# Altium PCB HVSUP_ISOL_Mainboard.PCBDOC (part 2 of 3)
Units mm, origin at the board's own origin, x right, y up, seen from the top; angles counter-clockwise.
Board outline 222.63 x 100.1 mm, 4 copper layers (Top, L2, L3, Bot), stack 1.6 mm thick; 185 components, 125 nets, 636 pads, 623 vias.
Unrouted connection lines stored in the file: 1.
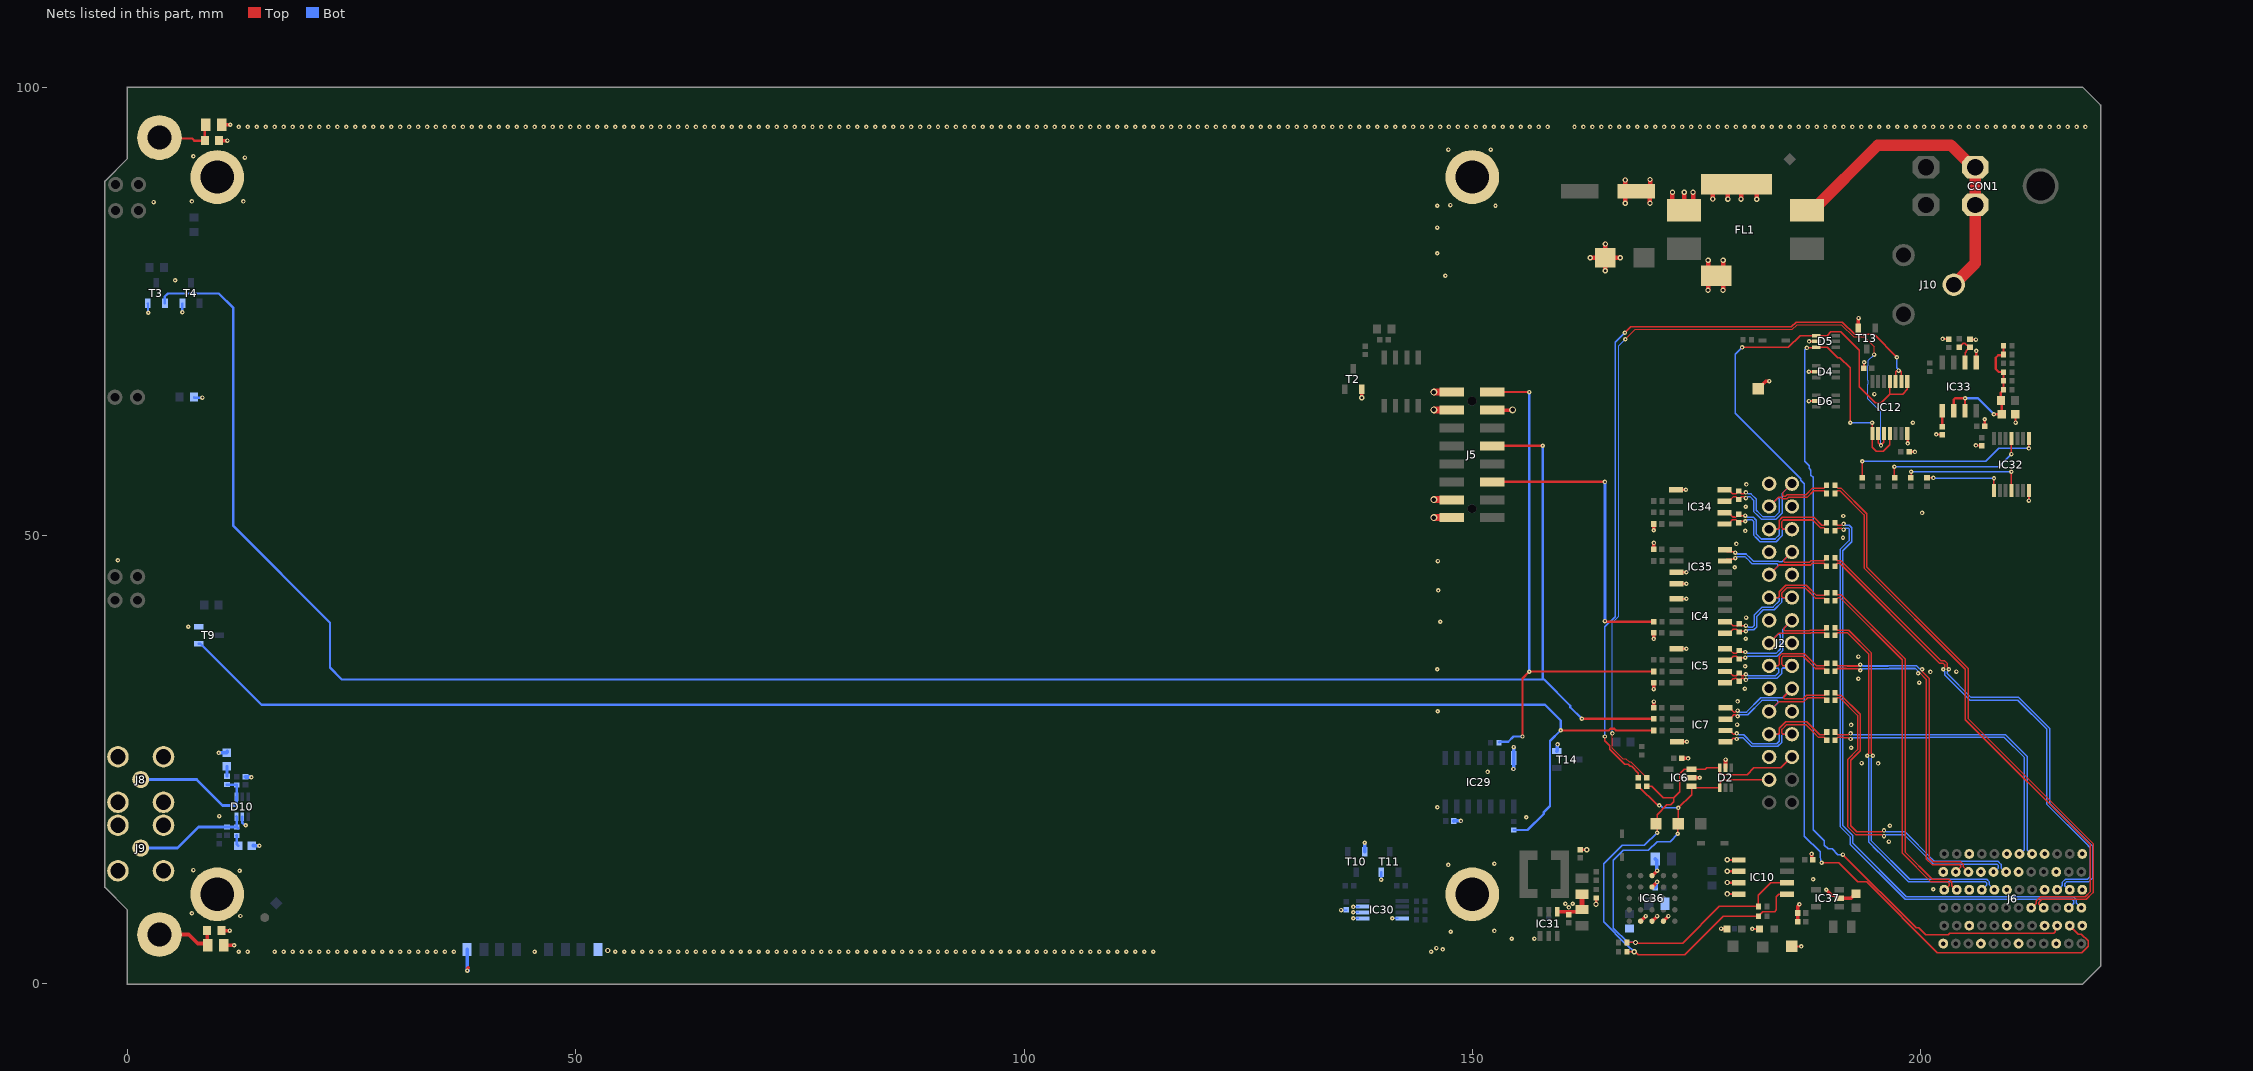
[diagram p4: the nets of this part, all layers, seen from the top]

## Part data (continued)
R138: library part R0603_2K7_1%_0.1W_100PPM, "Resistor - 1%", Case=0603, Manufacturer=GENERIC, Manufacturer1 ComponentHeight=0.55mm, Manufacturer1 Example="YAGEO PHYCOMP", Manufacturer1 Part Number=RC0603FR-072K7L, Power=0.1W, Tolerance=±1%, Author="CERN DEM JLC", Component Type=Standard, CreateDate=2011-05-02, HelpURL=\\cern.ch\dfs\Applications\Altium\Datasheets\R0603_PHYCOMP_RC0603.pdf, LatestRevisionDate=2011-05-02, Manufacturer Part Number=R0603_2K7_1%_0.1W_100PPM, Mounted=Yes, Part Description="General Purpose Thick Film Chip Resistor", Part Number=R0603_2K7_1%_0.1W_100PPM, Pin Count=2, PressFit=No, Sense=No, SMD=Yes, Socket=No, Status=Preferred, TC=±100ppm/°C
R139: library part R0402_5K6_1%_0.0625W_100PPM, "Resistor - 1%", Case=0402, Manufacturer=GENERIC, Manufacturer1 ComponentHeight=0.4mm, Manufacturer1 Example="YAGEO PHYCOMP", Manufacturer1 Part Number=232270675602L, Power=0.0625W, Tolerance=±1%, Author="CERN DEM JLC", Component Type=Standard, CreateDate=2007-12-03, HelpURL=\\cern.ch\dfs\Applications\Altium\Datasheets\R0402_Phycomp_RC0402.pdf, LatestRevisionDate=2012-10-17, Manufacturer Part Number=R0402_5K6_1%_0.0625W_100PPM, Mounted=Yes, Part Description="General Purpose Thick Film Chip Resistor", Part Number=R0402_5K6_1%_0.0625W_100PPM, Pin Count=2, PressFit=No, Sense=No, SMD=Yes, Socket=No, Status="Not Recommended", TC=±100ppm/°C
R140 R141: library part R0402_1k_1%_0.0625W_100PPM, "Resistor - 1%", Case=0402, Manufacturer=GENERIC, Manufacturer1 ComponentHeight=0.4mm, Manufacturer1 Example="YAGEO PHYCOMP", Manufacturer1 Part Number=232270671002L, Manufacturer Part Number=R0402_1K_1%_0.0625W_100PPM, Power=0.0625W, Tolerance=±1%, Author="CERN DEM JLC", Component Type=Standard, CreateDate=03.12.2007, HelpURL=\\cern.ch\dfs\Applications\Altium\Datasheets\R0402_Phycomp_RC0402.pdf, LatestRevisionDate=17.10.2012, Mounted=Yes, Part Description="General Purpose Thick Film Chip Resistor", Part Number=R0402_1K_1%_0.0625W_100PPM, Pin Count=2, PressFit=No, Sense=No, SMD=Yes, Socket=No, Status="Not Recommended"
R142 R143: library part R0402_1K6_1%_0.0625W_100PPM, "Resistor - 1%", Case=0402, Manufacturer=GENERIC, Manufacturer1 ComponentHeight=0.4mm, Manufacturer1 Example="YAGEO PHYCOMP", Manufacturer1 Part Number=232270671602L, Power=0.0625W, Tolerance=±1%, Author="CERN DEM JLC", Component Type=Standard, CreateDate=2007-12-03, HelpURL=\\cern.ch\dfs\Applications\Altium\Datasheets\R0402_Phycomp_RC0402.pdf, LatestRevisionDate=2012-10-17, Manufacturer Part Number=R0402_1K6_1%_0.0625W_100PPM, Mounted=Yes, Part Description="General Purpose Thick Film Chip Resistor", Part Number=R0402_1K6_1%_0.0625W_100PPM, Pin Count=2, PressFit=No, Sense=No, SMD=Yes, Socket=No, Status="Not Recommended", TC=±100ppm/°C
R149: library part R0805_0R_JUMPER, "Resistor", Case=0805, Manufacturer=GENERIC, Manufacturer1 ComponentHeight=0.6mm, Manufacturer1 Example="NIC COMPONENT", Manufacturer1 Part Number=NRC10Z0, Author="CERN DEM JLC", Component Type=Standard, CreateDate=03.12.2007, HelpURL=\\cern.ch\dfs\Applications\Altium\Datasheets\R0805_NIC_NRC.pdf, LatestRevisionDate=13.03.2008, Manufacturer Part Number=R0805_0R_JUMPER, Mounted=Yes, Part Description="2A (0.05R Max DC Resistance) Zero Ohm Jumper", Part Number=R0805_0R_JUMPER, Pin Count=2, PressFit=No, Sense=No, SMD=Yes, Socket=No, Status=Preferred
R154 R155 R156 R157: library part "R0805_4M7_1%_0.125W_100PPM_VISHAY_CRCW e3", "Resistor - 1%", Case=0805, Manufacturer=VISHAY, Manufacturer Part Number=CRCW08054M70FKEA, Power=0.125W, Tolerance=±1%, Author="CERN DEM BR", Component Type=Standard, ComponentHeight=0.5mm, CreateDate=27/05/2019, HelpURL="\\cern.ch\dfs\Applications\Altium\Datasheets\R0805_VISHAY_CRCW e3.pdf", LatestRevisionDate=27/05/2019, Mounted=Yes, Part Description="150V, Standard Thick Film Chip Resistor", Part Number="R0805_4M7_1%_0.125W_100PPM_VISHAY_CRCW e3", Pin Count=2, PressFit=No, Sense=No, SMD=Yes, Socket=No, Status=None, TC=±100ppm/°C
R160: library part R0603_13K3_0.1%_0.063W_10PPM, "Resistor - 0.1%", Case=0603, Manufacturer=GENERIC, Manufacturer1 ComponentHeight=0.5mm, Manufacturer1 Example="TYCO HOLSWORTHY", Manufacturer1 Part Number=RN73C1J13K3BTDF, Power=0.063W, Tolerance=±0.1%, Author="CERN DEM JLC", Component Type=Standard, CreateDate=03.12.2007, HelpURL=\\cern.ch\dfs\Applications\Altium\Datasheets\R0603_Tyco_RN73.pdf, LatestRevisionDate=13.03.2008, Manufacturer Part Number=R0603_13K3_0.1%_0.063W_10PPM, Mounted=Yes, Part Description="Thin Film Chip Resistor", Part Number=R0603_13K3_0.1%_0.063W_10PPM, Pin Count=2, PressFit=No, Sense=No, SMD=Yes, Socket=No, Status="Not Recommended", TC=±10ppm
S1 S2 S3 S4: library part "WA-SMSI,  9774030151", "WA-SMSI SMD Steel Spacer with internal Thread", Manufacturer="Wurth Elektronik", ComponentLink1Description=Manufacturer, ComponentLink1URL=http://www.we-online.de, ComponentLink2Description=Datasheet, ComponentLink2URL=http://katalog.we-online.de/em/datasheet/9774030151.pdf, Created by="Baojun Chen", Created Date=20.Oct.2015, partNo=9774030151
ST1: "Schroff 3HP 4U EUROCARD Panel Kit", Manufacturer=Schroff, Manufacturer Part Number=20818-017, Manufacturer Part Number 2=20848-664
T1: "-30V -19.7A P-Channel MOSFET", Case=SOIC8, Manufacturer="VISHAY SILICONIX", Author="CERN DEM MR", Bonding=No, Component Type=Standard, ComponentHeight=1.75mm, CreateDate=05/10/2016, Device=SI4425DDY-T1-GE3, HelpURL=\\cern.ch\dfs\Applications\Altium\Datasheets\SI4425DDY-T1-GE3.pdf, LatestRevisionDate=05/10/2016, Manufacturer Part Number=SI4425DDY-T1-GE3, Mounted=Yes, PackageDescription="SOIC 8, Pitch 1.27mm - Body 4x5mm, IPC Medium Density", Part Description="-30V -19.7A P-Channel MOSFET", Part Number=SI4425DDY-T1-GE3, Pin Count=8, PressFit=No, Sense=No, SMD=Yes, Socket=No
T2 T3 T4 T9 T10 T11 T14: "N-CHANNEL MOSFET WITH DIODE", Case=SOT23-3, Manufacturer="ON SEMICONDUCTOR", Author="CERN DEM JLC", Bonding=No, Component Type=Standard, ComponentHeight=1.11mm, CreateDate=23.03.2009, Device=BSS138LT1G, HelpURL=\\cern.ch\dfs\Applications\Altium\Datasheets\BSS138LT1G.pdf, LatestRevisionDate=23.03.2009, Manufacturer Part Number=BSS138LT1G, Mounted=Yes, PackageDescription="SOT23 3-Leads, Pitch 0.95mm - Body 1.4x3mm, IPC Medium Density", Part Description="50V 200mA N-Channel Enhancement Mode Field-Effect Transistor", Part Number=BSS138LT1G, Pin Count=3, PressFit=No, Sense=No, SMD=Yes, Socket=No
T13: "N-CHANNEL MOSFET WITH DIODE", Case=SOT23-3, Manufacturer=NEXPERIA, Author="CERN DEM JLC", Bonding=No, Component Type=Standard, ComponentHeight=1.1mm, CreateDate=16.03.2010, Device=BSH103, HelpURL=\\cern.ch\dfs\Applications\Altium\Datasheets\BSH103.pdf, LatestRevisionDate=20.06.2017, Manufacturer Part Number=BSH103, Mounted=Yes, PackageDescription="SOT23, 0.95mm Pitch; 3 Pin, 1.30mm W X 2.90mm L X 1.10mm H body, IPC Medium Density", Part Description="30V 850mA N-Channel Enhancement Mode Field-Effect Transistor", Part Number=BSH103, Pin Count=3, PressFit=No, Sense=No, SMD=Yes, Socket=No
TP1 TP2 TP3 TP4 TP5 TP6 TP7: library part SMD_PAD_1.27X1.27MM, Author="CERN DEM JLC", Component Type="Standard (No BOM)", ComponentHeight=0mm, CreateDate=12.01.2008, Family="Test Point", HelpURL=Undefined, LatestRevisionDate=12.01.2008, Mounted=No, PackageDescription="1.27mm x 1.27mm PCB Copper Area (SMD Test Point)", Part Description="1.27mm x 1.27mm PCB Copper Area (SMD Test Point)", Part Number=SMD_PAD_1.27X1.27MM, Pin Count=1, Sense=No, SMD=Yes, Socket=No, Status=None

## Via types
v1: diameter 0.5, hole 0.2, Top to Bot, tented both sides, 473 vias
v2: diameter 0.5, hole 0.2, Top to Bot, 85 vias
v3: diameter 0.6, hole 0.3, Top to Bot, 54 vias
v4: diameter 0.8, hole 0.5, Top to Bot, 5 vias
v5: diameter 1.27, hole 0.711, Top to Bot, tented both sides, 4 vias
v6: diameter 0.6, hole 0.3, Top to Bot, tented both sides, 2 vias

## Nets (pads, with @x,y where several pads share a name; then routed paths per layer and width w, separated by ;. In a path a pad name is that pad's centre, name@x,y a point inside that pad or via, vN(x,y) a via of type N, cw(c..) or ccw(c..) an arc to the next point about the centre after c; other vN are vias at no path point)
BP_IO.GA0: IC32.4 R51.1 | length 14
  Top w0.152: R51.1@198.914,56.462 198.945,56.493 v2(198.945,57.125) ; IC32.4@210.145,55.04 v2(210.145,57.125)
  Bot w0.152: v2(198.945,57.125) v2(210.145,57.125)
BP_IO.GA1: IC32.1 R52.1 | length 8.9
  Top w0.152: R52.1@200.72,56.462 200.739,56.443 v2(201.442,56.443) ; IC32.1@208.195,55.04 v2(208.195,56.4)
  Bot w0.152: v2(201.442,56.443) 201.486,56.4 v2(208.195,56.4)
BP_IO.GA2: IC32.11 R53.1 | length 16.6
  Top w0.152: v2(197.095,57.7) 197.095,56.474 R53.1@197.108,56.462 ; v2(210.145,59.1) IC32.11@210.145,60.84
  Bot w0.152: v2(197.095,57.7) 208.745,57.7 v2(210.145,59.1)
BP_IO.GA3: IC32.8 R55.1 | length 22.1
  Top w0.152: R55.1@193.495,56.462 v2(193.495,58.311) ; v2(212.092,59.742) 212.092,60.838 IC32.8@212.095,60.84
  Bot w0.152: v2(193.495,58.311) 207.284,58.311 208.715,59.742 v2(212.092,59.742)
BP_IO.LVDS_N0: J6.E3 R34.2 | length 64.5
  Top w0.172: R34.2@190.465,54.706 190.465,54.726 190.75,55.012 191.013,55.012 193.702,52.322 193.702,46.393 205,35.095 205,29.479 218.95,15.529 218.95,10.323 218.364,9.737 213.409,9.737 212.889,9.217 212.889,8.95 212.439,8.5 J6.E3@212.339,8.5
BP_IO.LVDS_N1: J6.B3 R36.2 | length 66.5
  Top w0.172: R36.2@190.465,50.53 R36.2@190.465,50.55 190.465,50.57 190.749,50.854 191.166,50.854 191.33,50.69 v1(191.419,50.69)
  Bot w0.172: v1(191.419,50.69) 191.508,50.69 191.671,50.854 191.927,50.854 192.028,50.753 192.028,49.454 191.022,48.448 191.022,17.555 192.138,16.439 192.138,15.589 198.29,9.437 216.926,9.437 217.089,9.274 217.089,9 216.589,8.5 J6.B3@216.539,8.5
BP_IO.LVDS_N2: J6.C4 R38.2 | length 55.2
  Top w0.172: R38.2@190.445,46.6 190.445,46.62 190.738,46.913 190.994,46.913 202.151,35.755 202.556,35.755 202.703,35.609 202.703,35.353 202.539,35.189 v1(202.539,35.1)
  Bot w0.172: v1(202.539,35.1) 202.539,35.011 202.703,34.848 202.703,34.468 205.516,31.654 210.844,31.654 214.101,28.397 214.101,20.024 218.475,15.65 218.925,15.2 218.925,11.975 218.624,11.674 216.158,11.674 215.789,11.305 215.789,10.95 215.339,10.5 J6.C4@215.239,10.5
BP_IO.LVDS_N3: J6.L4 R40.2 | length 39.6
  Top w0.172: R40.2@190.47,42.77 R40.2@190.738,43.038 ; 190.826,43.102 191.019,43.102 197.971,36.149 197.971,14.592 201.179,11.384 203.022,11.384 203.189,11.217 203.189,10.95 202.739,10.5 J6.L4@202.639,10.5
BP_IO.LVDS_N4: J6.I4 R42.2 | length 42
  Top w0.172: R42.2@190.47,38.895 190.739,39.164 191.868,39.164 192.545,38.486 192.744,38.288 194.228,36.804 194.228,25.703 194.064,25.539 v1(194.064,25.451)
  Bot w0.172: v1(194.064,25.451) 194.064,25.362 194.228,25.198 194.228,15.824 195.24,14.812 195.438,14.613 198.677,11.375 207.264,11.375 207.389,11.25 207.389,11.042 206.847,10.5 J6.I4@206.839,10.5
BP_IO.LVDS_N5: J6.K5 R44.2 | length 36.2
  Top w0.172: R44.2@190.47,34.92 190.738,35.188 191.687,35.188 191.711,35.164 193.027,35.164 193.191,35 v1(193.28,35) ; v1(199.731,34.657) 199.746,34.671 199.949,34.671 200.651,33.969 200.651,13.949 201.286,13.314 204.366,13.314 204.488,13.192 204.488,13.049 J6.K5@203.939,12.5
  Bot w0.172: v1(193.28,35) 193.369,35 193.532,35.164 196.508,35.164 196.532,35.188 199.432,35.188 199.669,34.951 199.669,34.719 v1(199.731,34.657)
BP_IO.LVDS_N6: J6.H5 R46.2 | length 36
  Top w0.172: R46.2@190.47,31.625 190.47,31.645 190.738,31.913 191.019,31.913 192.981,29.951 192.981,26.139 191.904,25.062 191.904,17.509 192.749,16.664 195.673,16.664 195.836,16.5 v2(195.925,16.5)
  Bot w0.172: v2(195.925,16.5) 196.014,16.5 196.177,16.664 198.142,16.664 201.322,13.484 201.434,13.372 208.517,13.372 208.689,13.2 208.689,12.934 208.255,12.5 J6.H5@208.139,12.5
BP_IO.LVDS_N7: J6.F6 R48.2 | length 33.4
  Top w0.172: R48.2@190.47,27.2 190.47,27.22 190.75,27.5 191.326,27.5 191.34,27.486 191.951,27.486 192.115,27.322 v1(192.203,27.322)
  Bot w0.172: v1(192.203,27.322) 192.292,27.322 192.456,27.486 200.934,27.486 200.948,27.5 209.35,27.5 211.589,25.261 211.589,15.225 211.589,14.958 211.131,14.5 J6.F6@211.039,14.5
BP_IO.LVDS_P0: J6.D3 R31.2 | length 65
  Top w0.172: R31.2@190.465,55.616 190.465,55.596 190.75,55.311 191.137,55.311 194.002,52.446 194.002,46.517 205.299,35.219 205.299,29.603 219.249,15.653 219.249,10.199 218.488,9.437 213.533,9.437 213.188,9.093 213.188,8.95 213.639,8.5 J6.D3@213.739,8.5
BP_IO.LVDS_P1: J6.A3 R35.2 | length 67
  Top w0.172: R35.2@190.465,51.456 190.465,51.436 190.748,51.153 191.166,51.153 191.33,51.317 v1(191.419,51.317) ; R35.2@190.465,51.461 R35.2@190.467,51.459
  Bot w0.172: v1(191.419,51.317) 191.508,51.317 191.671,51.153 192.051,51.153 192.328,50.877 192.328,49.33 191.321,48.324 191.321,17.679 192.437,16.563 192.437,15.713 198.414,9.737 217.05,9.737 217.388,9.398 217.388,9 217.888,8.5 J6.A3@217.939,8.5
BP_IO.LVDS_P2: J6.B4 R37.2 | length 55.7
  Top w0.172: R37.2@190.445,47.525 190.445,47.505 190.738,47.212 191.118,47.212 202.275,36.054 202.68,36.054 203.002,35.733 203.002,35.353 203.166,35.189 v1(203.166,35.1)
  Bot w0.172: v1(203.166,35.1) 203.166,35.011 203.002,34.848 203.002,34.592 205.64,31.953 210.968,31.953 214.4,28.521 214.4,20.148 218.488,16.06 219.224,15.324 219.224,11.851 218.748,11.375 216.282,11.375 216.088,11.181 216.088,10.95 216.538,10.5 J6.B4@216.639,10.5
BP_IO.LVDS_P3: J6.K4 R39.2 | length 40.1
  Top w0.172: R39.2@190.47,43.605 190.674,43.401 191.143,43.401 198.27,36.273 198.27,14.716 201.303,11.684 203.146,11.684 203.488,11.341 203.488,11.093 203.488,10.95 203.939,10.5 J6.K4@204.039,10.5
BP_IO.LVDS_P4: J6.H4 R41.2 | length 42.5
  Top w0.172: R41.2@190.465,39.73 190.732,39.463 191.992,39.463 194.527,36.928 194.527,25.703 194.691,25.539 v1(194.691,25.451)
  Bot w0.172: v1(194.691,25.451) 194.691,25.362 194.527,25.198 194.527,15.948 198.801,11.674 207.388,11.674 207.688,11.374 207.688,11.042 208.231,10.5 J6.H4@208.239,10.5
BP_IO.LVDS_P5: J6.J5 R43.2 | length 36.7
  Top w0.172: R43.2@190.47,35.755 190.738,35.487 191.811,35.487 191.835,35.463 193.027,35.463 193.191,35.627 v1(193.28,35.627) ; v1(200.175,35.1) 200.16,35.086 200.16,34.883 200.95,34.093 200.95,14.073 201.41,13.613 204.49,13.613 204.787,13.316 204.787,13.052 J6.J5@205.339,12.5
  Bot w0.172: v1(193.28,35.627) 193.369,35.627 193.532,35.463 196.384,35.463 196.408,35.487 199.556,35.487 199.88,35.163 200.112,35.163 v1(200.175,35.1)
BP_IO.LVDS_P6: J6.G5 R45.2 | length 36.5
  Top w0.172: R45.2@190.47,32.5 190.47,32.48 190.738,32.212 191.143,32.212 193.28,30.075 193.28,26.015 192.203,24.938 192.203,17.633 192.873,16.963 195.673,16.963 195.836,17.127 v2(195.925,17.127)
  Bot w0.172: v2(195.925,17.127) 196.014,17.127 196.177,16.963 198.266,16.963 201.336,13.894 201.558,13.672 208.641,13.672 208.988,13.324 208.988,12.934 209.422,12.5 J6.G5@209.539,12.5
BP_IO.LVDS_P7: J6.E6 R47.2 | length 33.9
  Top w0.172: R47.2@190.47,28.1 190.47,28.08 190.75,27.8 191.45,27.8 191.464,27.785 191.951,27.785 192.115,27.949 v1(192.203,27.949)
  Bot w0.172: v1(192.203,27.949) 192.292,27.949 192.456,27.785 200.81,27.785 200.824,27.8 209.474,27.8 211.888,25.385 211.888,15.101 211.888,14.958 212.346,14.5 J6.E6@212.439,14.5
BP_SCL: D5.1 IC12.8 IC12.11 J6.B2 | length 127
  Top w0.152: v1(180.101,71) 185.236,71 186.556,72.321 D5.1@188.351,72.321 189.589,72.321 189.992,72.724 191.123,72.724 193.163,70.683 193.163,66.629 194.95,64.842 195.613,64.842 196.57,65.8 ; v1(188.958,13.525) 190.875,13.525 193.02,11.38 193.998,11.38 201.878,3.5 218.004,3.5 218.692,4.188 218.692,4.812 217.938,5.565 217.573,5.565 J6.B2@216.639,6.5 ; IC12.11@196.57,67.225 196.57,65.8 ; IC12.8@198.52,67.225 198.52,66.325 197.995,65.8 196.57,65.8
  Bot w0.152: v1(180.101,71) 179.325,70.224 179.325,63.679 186.637,56.367 186.637,56.196 187.046,55.787 187.046,16.494 188.794,14.746 188.794,14.079 188.891,13.982 188.891,13.592 v1(188.958,13.525)
BP_SDA: D5.3 IC12.1 IC12.4 J6.C2 | length 108.1
  Top w0.152: v1(187.325,70.942) 187.364,70.981 188.311,70.981 D5.3@188.351,71.021 189.589,71.021 190.742,69.867 191.013,69.867 192.167,68.713 v1(192.167,62.597) ; v1(191.34,14.432) 199.498,6.275 199.794,6.275 200.601,5.468 203.066,5.468 203.243,5.645 214.845,5.645 215.036,5.836 215.036,5.939 215.053,5.955 215.053,6.314 J6.C2@215.239,6.5 ; v1(194.602,62.597) 194.611,62.588 194.611,61.434 IC12.1@194.62,61.425 194.62,59.865 195.058,59.427 195.837,59.427 196.57,60.161 IC12.4@196.57,61.425
  Bot w0.152: v1(187.325,70.942) 187.105,70.722 187.105,58.311 187.592,57.824 187.592,57.499 187.778,57.312 187.778,56.731 188.012,56.497 188.012,17.196 189.26,15.949 189.26,15.49 189.688,15.061 190.147,15.061 190.776,14.432 v1(191.34,14.432) ; v1(192.167,62.597) v1(194.602,62.597)
CHASSIS: C97.1 R130.2 R157.2 ST1.0 | length 9.9
  Top w0.4: ST1.0@3.556,5.512 6.838,5.512 7.836,4.514 C97.1@8.9,4.514 ; R130.2@8.875,5.95 8.9,5.925 C97.1@8.9,4.514 ; C97.1@8.925,4.314 8.9,4.339 C97.1@8.9,4.514 ; 37.95,1.75 38,1.8
  Bot w0.4: R157.2@37.875,3.85 37.875,1.625 v2@38,1.5
  other v2: 37.889,1.488
CSN: J5.5 R13.1 | length 33.6
  Top w0.3: J5.5@152.214,56.004 v2(164.8,56.004) ; v2(164.8,40.475) 164.838,40.437 164.98,40.437 165.011,40.406 R13.1@170.23,40.406
  Bot w0.3: v2(164.8,40.475) v2(164.8,56.004)
DIO0: D10.3 J9.1 R113.1 R115.2 | length 13.1
  Bot w0.3: J9.1@1.465,15.16 5.56,15.16 7.905,17.505 11.085,17.505 R115.2@12.175,17.505 ; D10.3@12.15,18.675 12.162,18.662 12.162,17.517 R115.2@12.175,17.505 ; R115.2@12.315,17.365 R115.2@12.175,17.505
DIO1: D10.4 J8.1 R110.1 R112.2 | length 15.2
  Bot w0.3: J8.1@1.475,22.8 7.7,22.8 10.6,19.9 11.974,19.9 12.15,20.076 D10.4@12.15,20.875 12.162,20.887 12.162,22.162 R110.1@12.175,22.175 12.148,22.202 11.112,22.202 R112.2@11.085,22.23
GND: C77.1 C78.1 C79.1 C80.1 C81.1 C82.1 C83.1 C84.1 C85.1 C86.1 C87.1 C88.1 C89.1 C90.1 C91.1 C92.1 C93.1 C94.1 C95.2 C96.1 C97.2 C98.2 C101.1 C102.1 C103.1 C104.1 C105.1 C106.1 C107.1 C108.1 D2.2 D4.2 D5.2 D6.2 D10.2 D11.2 FL1.4 IC4.5 IC5.5 IC6.2 IC7.4 IC10.1 IC10.2 IC10.3 IC10.4 IC12.7 IC29.7 IC30.4 IC30.5 IC30.6 IC30.7 IC31.1 IC32.7 IC33.1 IC34.5 IC35.3 IC35.4 IC36.B5 IC36.C1 IC36.C2 IC36.C5 IC36.D5 IC37.2 J2.1 J2.4 J2.7 J2.10 J2.13 J2.16 J2.19 J2.22 J2.25 J5.2 J5.4 J5.13 J5.14 J5.16 J6.A2 J6.A4 J6.A6 J6.C1 J6.C5 J6.D2 J6.D4 J6.D6 J6.F1 J6.F5 J6.G2 J6.G4 J6.G6 J6.I1 J6.I5 J6.J2 J6.J4 J6.J6 J6.L1 J6.L5 J8.2 J9.2 LD10.1 LD11.1 R50.1 R118.2 R129.1 R130.1 R136.1 R147.1 R155.2 R159.1 R160.1 S1. S1.1 S2. S2.1 S3. S3.1 S4. S4.1 T2.2 T3.2 T4.2 T9.2 T10.2 T11.2 T13.2 T14.2 TP3.1 TP4.1 | length 105.4
  Top w0.254: J5.2@147.693,52.025 J5.2@147.714,52.004 ; J5.4@147.693,54.025 J5.4@147.714,54.004 ; J5.14@147.693,64.025 J5.14@147.714,64.004 ; J5.16@147.693,66.025 J5.16@147.714,66.004 ; C102.1@161.661,7.909 C102.1@161.865,8.05 ; C103.1@162.033,14.986 162.038,14.98 162.748,14.98 v3(162.753,14.975) ; v3(163.798,8.884) 163.816,8.902 163.816,9.576 R136.1@163.834,9.594 ; IC34.5@172.732,55.111 172.737,55.116 173.823,55.116 v1(173.828,55.121) ; IC5.5@172.783,37.39 172.787,37.395 173.874,37.395 v1(173.879,37.4) ; IC35.4@172.783,44.636 172.787,44.641 173.874,44.641 v1(173.879,44.645) ; IC35.3@172.783,45.906 172.787,45.911 173.874,45.911 v1(173.879,45.915) ; IC4.5@172.793,42.946 172.797,42.951 173.884,42.951 v1(173.889,42.955) ; IC7.4@172.843,27.001 172.848,27.006 173.935,27.006 v1(173.94,27.01) ; v3(178.446,10.04) 178.446,10.02 IC10.4@179.725,10.02 ; v3(178.446,11.31) 178.446,11.29 IC10.3@179.725,11.29 ; v3(178.446,12.58) 178.446,12.56 IC10.2@179.725,12.56 ; v3(178.446,13.85) 178.446,13.83 IC10.1@179.725,13.83 ; v1(181.227,6.136) 181.232,6.131 LD11.1@182.036,6.131 ; TP3.1@185.654,4.188 185.662,4.18 v1(186.7,4.18) ; v1(187.558,65.022) v1(187.558,65.022) D6.2@188.343,65.021 D6.2@188.344,65.02 ; v1(187.558,68.297) v1(187.558,68.297) D4.2@188.343,68.295 D4.2@188.343,68.295 ; v1(187.566,71.672) v1(187.566,71.672) D5.2@188.351,71.671 D5.2@188.352,71.67 ; C78.1@193.689,68.697 v1@193.689,69.332 ; v1(198.569,60.29) 198.57,60.291 198.57,61.075 IC12.7@198.571,61.076 ; R50.1@198.74,59.35 v1(199.379,59.35) ; v1@201.777,61.278 C82.1@202.412,61.278 ; v1@202.476,71.933 R147.1@203.111,71.933 ; C81.1@205.533,71.887 v1@206.168,71.887 ; v1(206.184,60.076) 206.197,60.063 206.832,60.063 C83.1@206.845,60.05 ; IC33.1@206.183,69.85 206.229,69.896 206.229,70.606 v1(206.223,70.612) ; C80.1@207.157,62.215 v1(207.158,63) v1(207.158,63) ; C79.1@210.554,63.54 C79.1@210.555,63.539 210.595,63.499 v1(210.595,62.625) ; v1(212.095,53.925) IC32.7@212.095,55.04
  Top w0.381: IC36.D5@168.78,7 168.78,7.005 169.34,7.565 v1(169.34,7.57) ; IC36.C5@170.05,7 170.05,7.005 170.61,7.565 v1(170.61,7.57) ; IC36.C2@170.05,10.81 170.05,10.815 170.61,11.375 v1(170.61,11.38) ; IC36.C1@170.05,12.08 170.05,12.085 170.61,12.645 v1(170.61,12.65) ; IC36.B5@171.32,7 171.32,7.005 171.88,7.565 v1(171.88,7.57)
  Top w0.4: R129.1@10.214,94.075 v1(11.139,94.075) ; R130.1@10.475,5.95 v1(11.4,5.95) ; C95.2@10.525,95.85 v1(11.45,95.85) ; C97.2@10.95,4.314 v1(11.875,4.314) ; v3@53.523,3.754 v3(53.549,3.728) ; v3(137.655,65.396) 137.665,65.406 137.665,66.31 T2.2@137.675,66.32 ; J5.13@152.214,64.004 152.225,64.015 154.49,64.015 v4(154.5,64.025) ; IC31.1@159.475,8.05 161.865,8.05 161.978,8.05 C102.1@162.234,8.307 ; v1(170.242,32.89) 170.25,32.898 C87.1@170.25,33.58 ; v1(170.242,38.486) 170.25,38.494 C89.1@170.25,39.176 ; v1(170.242,50.617) 170.25,50.624 C84.1@170.25,51.306 ; C85.1@170.25,30.806 170.25,31.488 v1(170.258,31.496) ; C86.1@170.25,48.5 170.25,49.182 v1(170.258,49.19) ; C88.1@173.381,25.168 174.063,25.168 v1(174.071,25.16) ; IC6.2@174.468,22.981 174.477,22.991 175.366,22.991 v1(175.375,23) ; v1(177.749,6.167) 177.767,6.149 178.396,6.149 LD10.1@178.414,6.131 ; D2.2@178.248,24.1 178.248,25.023 v1(178.25,25.025) ; TP4.1@181.9,66.4 182.727,67.227 183.095,67.227 v1(183.114,67.247) ; C108.1@186.305,6.944 186.305,8.664 186.498,8.857 v1(186.498,8.884) ; v1(187.839,14.5) 187.839,14.473 187.884,14.428 187.884,13.94 C90.1@187.994,13.83 ; v1(189.476,10.5) 190.088,9.888 190.365,9.888 190.688,9.565 IC37.2@190.938,9.565 192.253,9.565 192.763,10.075 C106.1@192.788,10.075 ; T13.2@193.05,73.15 193.072,73.172 193.072,74.25 v1(193.091,74.27)
  Top w0.5: v3(163.159,81.005) D11.2@164.322,81.005 ; v3(164.845,79.568) D11.2@164.845,80.732 ; D11.2@164.85,81.377 v3(164.85,82.54) ; D11.2@165.333,81.016 v3(166.497,81.016) ; v3(167.071,87.101) C98.2@167.071,88.264 ; C98.2@167.076,88.515 v3(167.076,89.679) ; v3(169.821,87.095) C98.2@169.821,88.259 ; C98.2@169.826,88.565 v3(169.826,89.729) ; FL1.4@172.331,87.13 v3(172.331,88.294) ; FL1.4@173.65,87.136 v3(173.65,88.3) ; FL1.4@174.625,87.141 v3(174.625,88.305) ; v3(176.295,77.381) FL1.4@176.295,78.545 ; FL1.4@176.3,79.555 v3(176.3,80.719) ; v3(176.82,87.556) FL1.4@176.82,88.72 ; v3(177.97,77.381) FL1.4@177.97,78.545 ; FL1.4@177.975,79.555 v3(177.975,80.719) ; v3(178.516,87.55) FL1.4@178.516,88.714 ; v3(179.979,87.55) FL1.4@179.979,88.714 ; v3(181.72,87.545) FL1.4@181.72,88.709
  Top w0.6: C102.1@162.234,8.307 C77.1@162.234,9.991
  Top w0.8: v4(145.725,52.025) J5.2@147.693,52.025 ; v4(145.725,54.025) J5.4@147.693,54.025 ; v4(145.725,64.025) J5.14@147.693,64.025 ; v4(145.725,66.025) J5.16@147.693,66.025
  Bot w0.152: v1(135.361,8.243) 135.999,8.243 C96.1@136.006,8.251 ; v1(136.712,7.33) 137.35,7.33 IC30.5@137.358,7.338 ; v1(136.712,7.988) 137.35,7.988 IC30.6@137.358,7.996 ; v1@136.731,8.597 137.383,8.597 IC30.7@137.39,8.604 ; v1(141.078,7.316) 141.716,7.316 IC30.4@141.724,7.324
  Bot w0.254: T3.2@2.254,75.912 2.278,75.888 2.278,74.902 v1(2.302,74.877) ; T4.2@6.109,75.912 6.111,75.91 6.111,74.937 v1(6.112,74.935) ; R118.2@7.4,65.45 7.45,65.4 v1(8.35,65.4) ; D10.2@12.8,18.675 12.8,17.95 12.825,17.925 12.883,17.925 13.108,17.7 v1(13.175,17.7) ; v1(139.825,11.616) 139.838,11.629 139.838,12.454 T11.2@139.85,12.466
  Bot w0.4: v1(10.169,25.772) 10.171,25.775 C92.1@11.08,25.775 ; C92.1@11.121,25.908 C92.1@11.137,25.925 ; C91.1@13.15,23.095 13.166,23.079 13.799,23.079 v1(13.815,23.062) ; C94.1@14.04,15.44 14.056,15.424 14.689,15.424 v1(14.705,15.408) ; T10.2@138,14.766 v1@138,15.747 ; C93.1@147.95,18.175 147.957,18.182 148.718,18.182 v1(148.725,18.189) ; v1(154.595,23.975) 154.603,23.982 154.603,25.192 IC29.7@154.61,25.2 154.618,25.207 154.618,26.417 v1(154.625,26.425) ; T14.2@159.444,25.975 159.491,26.023 159.491,26.697 v1(159.51,26.717) ; R159.1@170.408,10.734 170.498,10.824 170.498,11.241 170.61,11.353 v1(170.61,11.38) ; C105.1@170.42,13.935 170.591,13.764 170.591,12.669 v1(170.61,12.65)
  other v1: 12.4,3.6 13.386,3.598 16.4,3.6 17.4,3.6 18.4,3.6 19.4,3.6 20.4,3.6 21.4,3.6 22.4,3.6 23.4,3.6 24.4,3.6 25.4,3.6 26.4,3.6 27.4,3.6 28.4,3.6 29.4,3.6 30.4,3.6 31.4,3.6 32.4,3.6 33.4,3.6 34.4,3.6 35.4,3.6 36.4,3.6 45.4,3.6 54.4,3.6 55.4,3.6 56.4,3.6 57.4,3.6 58.4,3.6 59.4,3.6 60.4,3.6 61.4,3.6 62.4,3.6 63.4,3.6 64.4,3.6 65.4,3.6 66.4,3.6 67.4,3.6 68.4,3.6 69.4,3.6 70.4,3.6 71.4,3.6 72.4,3.6 73.4,3.6 74.4,3.6 75.4,3.6 76.4,3.6 77.4,3.6 78.4,3.6 79.4,3.6 80.4,3.6 81.4,3.6 82.4,3.6 83.4,3.6 84.4,3.6 85.4,3.6 86.4,3.6 87.4,3.6 88.4,3.6 89.4,3.6 90.4,3.6 91.4,3.6 92.4,3.6 93.4,3.6 94.4,3.6 95.4,3.6 96.4,3.6 97.4,3.6 98.4,3.6 99.4,3.6 100.4,3.6 101.4,3.6 102.4,3.6 103.4,3.6 104.4,3.6 105.4,3.6 106.4,3.6 107.4,3.6 108.4,3.6 109.4,3.6 110.4,3.6 111.4,3.6 112.4,3.6 113.4,3.6 114.4,3.6 145.4,3.6 146.707,3.854 146,4 154.4,5.048 156.923,5.048 147.588,5.828 152.472,5.906 12.588,7.578 7.177,7.881 136.712,8.597 201.429,10.557 188.012,11.674 12.487,12.62 7.338,12.698 147.319,13.269 152.472,13.397 137.999,15.748 196.469,15.886 196.581,17.633 156.03,18.6 10.225,18.723 146.114,19.7 151.709,23.653 195.263,24.592 193.431,24.631 192.258,26.35 192.255,28.893 179.538,28.933 146.14,30.408 179.596,31.515 180.405,32.928 199.846,33.623 193.078,34.053 201.111,34.808 204.005,34.843 146.099,35.1 180.431,35.433 193.078,36.515 180.514,38.503 6.777,39.85 146.428,40.39 180.54,40.86 146.2,43.9 179.276,46.473 146.169,47.175 -1.075,47.25 179.457,49.083 191.351,49.762 180.45,50.537 191.385,52.198 200.175,52.537 180.514,53.222 180.572,55.716 201.764,61.291 199.158,62.597 194.855,65.8 193.702,69.345 206.181,71.874 202.463,71.946 5.3,78.487 147,79 146.085,81.5 146.085,84.363 146.085,86.803 152.588,86.803 147.553,86.88 2.9,87.21 7.177,87.288 12.927,87.288 13.088,92.181 7.338,92.328 147.338,93.078 152.066,93.078 12.4,95.6 13.4,95.6 14.4,95.6 15.4,95.6 16.4,95.6 17.4,95.6 18.4,95.6 19.4,95.6 20.4,95.6 21.4,95.6 22.4,95.6 23.4,95.6 24.4,95.6 25.4,95.6 26.4,95.6 27.4,95.6 28.4,95.6 29.4,95.6 30.4,95.6 31.4,95.6 32.4,95.6 33.4,95.6 34.4,95.6 35.4,95.6 36.4,95.6 37.4,95.6 38.4,95.6 39.4,95.6 40.4,95.6 41.4,95.6 42.4,95.6 43.4,95.6 44.4,95.6 45.4,95.6 46.4,95.6 47.4,95.6 48.4,95.6 49.4,95.6 50.4,95.6 51.4,95.6 52.4,95.6 53.4,95.6 54.4,95.6 55.4,95.6 56.4,95.6 57.4,95.6 58.4,95.6 59.4,95.6 60.4,95.6 61.4,95.6 62.4,95.6 63.4,95.6 64.4,95.6 65.4,95.6 66.4,95.6 67.4,95.6 68.4,95.6 69.4,95.6 70.4,95.6 71.4,95.6 72.4,95.6 73.4,95.6 74.4,95.6 75.4,95.6 76.4,95.6 77.4,95.6 78.4,95.6 79.4,95.6 80.4,95.6 81.4,95.6 82.4,95.6 83.4,95.6 84.4,95.6 85.4,95.6 86.4,95.6 87.4,95.6 88.4,95.6 89.4,95.6 90.4,95.6 91.4,95.6 92.4,95.6 93.4,95.6 94.4,95.6 95.4,95.6 96.4,95.6 97.4,95.6 98.4,95.6 99.4,95.6 100.4,95.6 101.4,95.6 102.4,95.6 103.4,95.6 104.4,95.6 105.4,95.6 106.4,95.6 107.4,95.6 108.4,95.6 109.4,95.6 110.4,95.6 111.4,95.6 112.4,95.6 113.4,95.6 114.4,95.6 115.4,95.6 116.4,95.6 117.4,95.6 118.4,95.6 119.4,95.6 120.4,95.6 121.4,95.6 122.4,95.6 123.4,95.6 124.4,95.6 125.4,95.6 126.4,95.6 127.4,95.6 128.4,95.6 129.4,95.6 130.4,95.6 131.4,95.6 132.4,95.6 133.4,95.6 134.4,95.6 135.4,95.6 136.4,95.6 137.4,95.6 138.4,95.6 139.4,95.6 140.4,95.6 141.4,95.6 142.4,95.6 143.4,95.6 144.4,95.6 145.4,95.6 146.4,95.6 147.4,95.6 148.4,95.6 149.4,95.6 150.4,95.6 151.4,95.6 152.4,95.6 153.4,95.6 154.4,95.6 155.4,95.6 156.4,95.6 157.4,95.6 158.4,95.6 161.4,95.6 162.4,95.6 163.4,95.6 164.4,95.6 165.4,95.6 166.4,95.6 167.4,95.6 168.4,95.6 169.4,95.6 170.4,95.6 171.4,95.6 172.4,95.6 173.4,95.6 174.4,95.6 175.4,95.6 176.4,95.6 177.4,95.6 178.4,95.6 179.4,95.6 180.4,95.6 181.4,95.6 182.4,95.6 183.4,95.6 184.4,95.6 185.4,95.6 186.4,95.6 187.4,95.6 188.4,95.6 189.4,95.6 190.4,95.6 191.4,95.6 192.4,95.6 193.4,95.6 194.4,95.6 195.4,95.6 196.4,95.6 197.4,95.6 198.4,95.6 199.4,95.6 200.4,95.6 201.4,95.6 202.4,95.6 203.4,95.6 204.4,95.6 205.4,95.6 206.4,95.6 207.4,95.6 208.4,95.6 209.4,95.6 210.4,95.6 211.4,95.6 212.4,95.6 213.4,95.6 214.4,95.6 215.4,95.6 216.4,95.6 217.4,95.6 218.4,95.6
  other v2: 160.778,8.537 160.388,8.943 161.198,8.943
GNDF: CON1.1 CON1.2 FL1.3 J10.1 | length 37
  Top w1.27: FL1.3@187.375,86.35 FL1.3@187.325,86.3 187.975,86.3 195.249,93.574 203.377,93.574 205.85,91.1 CON1.1@206.1,91.1 CON1.2@206.1,86.9 206.1,80.393 J10.1@203.708,78
HV_EN: J5.15 R15.1 R111.2 | length 59.7
  Top w0.254: J5.15@152.214,66.004 152.235,66.025 v2(156.35,66.025) ; v1(155.6,27.6) 155.6,34.075 156.364,34.839 170.216,34.839 R15.1@170.23,34.853
  Bot w0.254: R111.2@152.985,26.925 153.07,27.01 154.01,27.01 154.6,27.6 v1(155.6,27.6) ; v2(156.35,34.825) v2(156.35,66.025)
HV_INTERLOCK: R19.1 R116.2 T9.1 | length 181.3
  Top w0.254: v1@159.86,28.271 165.234,28.271 165.416,28.453 165.834,28.453 166.016,28.271 R19.1@170.23,28.271
  Bot w0.254: T9.1@7.925,37.95 8.125,37.95 12.325,33.75 14.934,31.141 158.107,31.141 159.86,29.388 v1(159.86,28.289) 158.665,27.094 158.665,19.859 157.986,19.18 157.986,18.985 156.171,17.17 R116.2@154.61,17.17
I2C_SCL: D2.4 IC6.1 IC10.6 J2.27 R128.1 R151.1 R153.1 TP6.1 | length 61.3
  Top w0.152: R128.1@167.247,4.621 v3(168.206,4.621) 168.274,4.553 173.478,4.553 177.562,8.637 R153.1@181.921,8.637 181.921,9.892 183.319,11.29 IC10.6@185.125,11.29 ; R151.1@168.508,22.061 168.528,22.061 170.609,19.98 170.799,19.98 v1(170.866,19.914) ; v2(172.925,16.75) 172.925,17.814 TP6.1@172.981,17.87 v1(172.981,19.631) 174.468,21.118 IC6.1@174.468,22.031 174.6,21.9 D2.4@177.598,21.9 177.658,21.96 177.658,22.514 177.923,22.778 J2.27@183.114,22.778
  Bot w0.152: v3(168.206,4.621) 167.34,4.621 165.725,6.237 165.725,13.775 166.861,14.911 169.635,14.911 170.61,15.886 172.061,15.886 v2(172.925,16.75) ; v1(170.866,19.914) 170.96,19.914 171.243,19.631 v1(172.981,19.631)
I2C_SCL.CPCIS: IC12.9 IC12.10 R151.2 | length 89.3
  Top w0.152: v1(164.8,27.6) 164.8,27.1 165.356,26.544 165.356,26.178 167.024,24.51 167.39,24.51 167.642,24.258 167.767,24.258 168.508,23.517 R151.2@168.508,23.001 ; v1(167.03,72.644) 167.668,73.282 185.584,73.282 186.122,73.819 191.294,73.819 192.666,72.447 194.819,72.447 v1(197.37,69.896) ; IC12.10@197.22,67.225 197.22,68.269 197.37,68.419 v2(197.552,68.419) 197.734,68.419 197.87,68.283 IC12.9@197.87,67.225
  Bot w0.152: v1(164.8,27.6) 164.8,39.834 165.948,40.983 165.948,71.562 v1(167.03,72.644) ; v1(197.37,69.896) 197.37,68.766 197.335,68.731 197.552,68.513 v2(197.552,68.419)
I2C_SDA: D2.3 IC6.3 IC10.5 J2.26 R126.1 R150.1 R152.1 TP5.1 | length 66.1
  Top w0.152: R126.1@167.247,3.6 167.267,3.58 168.191,3.58 168.496,3.275 173.725,3.275 177.992,7.542 R152.1@181.921,7.542 181.921,7.562 182.415,8.056 183.731,8.056 183.925,8.25 183.925,9.738 184.207,10.02 IC10.5@185.125,10.02 ; R150.1@169.484,22.061 170.009,22.061 171.32,20.75 172.467,20.75 ; v2(170.61,16.862) 170.61,17.756 TP5.1@170.496,17.87 170.61,17.983 170.61,18.893 171.698,19.98 172.118,19.98 172.467,20.329 172.467,20.75 ; J2.26@185.654,25.318 184.433,24.097 181.422,24.097 180.65,23.325 177.833,23.325 177.598,23.56 D2.3@177.598,24.1 176.175,24.1 176.006,23.931 IC6.3@174.468,23.931 173.622,23.931 173.15,23.459 173.15,21.433 172.467,20.75
  Bot w0.152: v3(168.07,3.58) 167.308,4.342 167.225,4.342 164.65,6.916 164.65,13.4 166.7,15.45 169.198,15.45 v2(170.61,16.862)
I2C_SDA.CPCIS: IC12.2 IC12.3 R150.2 | length 95.9
  Top w0.132: v1(165.625,27.949) 165.625,26.29 166.777,25.138 167.143,25.138 167.502,24.779 167.686,24.779 169.464,23.001 R150.2@169.484,23.001 ; v1(167.076,71.907) 168.182,73.013 185.696,73.013 186.233,73.55 191.182,73.55 192.555,72.178 193.745,72.178 194.819,71.104 v1(194.819,70.211)
  Top w0.152: IC12.2@195.27,61.425 195.27,60.364 195.571,60.063 v2(195.59,60.063) 195.59,60.114 195.92,60.445 IC12.3@195.92,61.425
  Bot w0.132: v1(165.625,27.949) 165.625,40.279 166.352,41.006 166.352,71.183 v1(167.076,71.907) ; v1(194.819,70.211) 194.159,69.551 194.159,68.988 194.107,68.936 194.107,67.351 194.145,67.313 194.145,66.946 194.107,66.907 194.107,65.29 195.59,63.808 v2(195.59,60.063)
INT0: J5.9 R18.1 T3.1 | length 235.6
  Top w0.254: J5.9@152.214,60.004 152.235,60.025 v2(157.85,60.025) ; v2(162.234,29.575) R18.1@170.23,29.575
  Bot w0.254: T3.1@4.154,75.912 4.154,76.679 4.5,77.025 10.175,77.025 11.8,75.4 11.8,51.075 22.575,40.3 22.575,35.284 23.9,33.959 157.85,33.959 ; v2(157.85,60.025) 157.85,33.959 ; v2(162.234,29.575) 160.94,30.869 160.94,31.037 158.017,33.959 157.85,33.959
LVDS0_N: IC34.4 J2.3 R34.1 R162.2 | length 19.2
  Top w0.172: IC34.4@178.132,55.111 178.607,55.111 179.055,54.663 179.407,54.663 179.508,54.764 179.508,54.78 179.712,54.983 R162.2@179.732,54.983 179.752,54.983 179.956,54.78 179.956,54.724 180.016,54.663 180.273,54.663 180.436,54.827 v2(180.525,54.827) ; J2.3@183.114,53.258 184.157,54.301 184.4,54.301 184.588,54.113 185.076,54.113 185.235,54.272 187.345,54.272 188.085,55.012 189.239,55.012 189.525,54.726 R34.1@189.525,54.706
  Bot w0.172: v2(180.525,54.827) 180.614,54.827 180.777,54.663 181.097,54.663 181.674,54.085 181.674,52.834 182.042,52.467 182.378,52.131 183.755,52.131 184.261,52.636 184.261,54.06 184.16,54.161 184.017,54.161 J2.3@183.114,53.258
LVDS0_P: IC34.3 J2.2 R31.1 R162.1 | length 20.1
  Top w0.172: IC34.3@178.132,53.841 178.607,53.841 179.129,54.364 179.407,54.364 179.508,54.263 179.508,54.247 179.712,54.043 R162.1@179.732,54.043 179.752,54.043 179.956,54.247 179.956,54.303 180.016,54.364 180.273,54.364 180.436,54.2 v2(180.525,54.2) ; J2.2@185.654,55.798 184.611,54.755 184.611,54.513 184.712,54.412 184.952,54.412 185.111,54.571 187.221,54.571 187.961,55.311 189.239,55.311 189.525,55.596 R31.1@189.525,55.616
  Bot w0.172: v2(180.525,54.2) 180.614,54.2 180.777,54.364 180.973,54.364 181.375,53.961 181.375,52.71 181.929,52.156 182.254,51.832 183.879,51.832 184.56,52.512 184.56,54.704 J2.2@185.654,55.798
LVDS1_N: IC34.1 J2.6 R36.1 R158.1 | length 18.3
  Top w0.172: IC34.1@178.132,51.301 178.607,51.301 178.821,51.515 178.821,51.543 178.909,51.632 178.909,51.673 179.01,51.774 179.407,51.774 179.508,51.673 179.508,51.658 179.712,51.454 R158.1@179.732,51.454 179.888,51.611 v2(180.448,51.611) ; J2.6@185.654,50.718 184.695,50.718 184.534,50.88 184.534,51.581 184.703,51.75 187.981,51.75 188.852,50.878 189.242,50.878 189.525,50.595 R36.1@189.525,50.575
  Bot w0.172: v2(180.448,51.611) 180.536,51.611 180.7,51.774 181.211,51.774 181.375,51.611 181.375,50.063 181.718,49.721 182.104,49.334 183.896,49.334 184.554,49.993 184.554,50.617 184.655,50.718 J2.6@185.654,50.718
LVDS1_P: IC34.2 J2.5 R35.1 R158.2 | length 18.4
  Top w0.172: IC34.2@178.132,52.571 178.607,52.571 178.821,52.358 178.821,52.33 178.952,52.198 178.952,52.187 179.053,52.086 179.249,52.086 179.261,52.074 179.407,52.074 179.508,52.175 179.508,52.19 179.712,52.394 R158.2@179.732,52.394 179.888,52.238 v2(180.448,52.238) ; J2.5@183.114,50.718 184.073,50.718 184.235,50.88 184.235,51.705 184.579,52.049 188.105,52.049 188.976,51.178 189.241,51.178 189.525,51.461 R35.1@189.525,51.481
  Bot w0.172: v2(180.448,52.238) 180.536,52.238 180.7,52.074 181.335,52.074 181.674,51.735 181.674,50.187 182.228,49.634 183.772,49.634 184.255,50.117 184.255,50.617 184.154,50.718 J2.5@183.114,50.718
LVDS2_N: IC35.7 J2.9 R38.1 | length 15.1
  Top w0.172: IC35.7@178.183,47.176 178.396,47.39 179.129,47.39 179.236,47.497 v2(179.325,47.497) ; J2.9@183.114,45.638 184.207,46.731 187.73,46.731 187.912,46.913 189.212,46.913 189.505,46.62 R38.1@189.505,46.6
  Bot w0.172: v2(179.325,47.497) 179.414,47.497 179.577,47.661 180.418,47.661 180.582,47.497 181.214,46.866 183.997,46.866 184.098,46.765 184.098,46.622 J2.9@183.114,45.638
LVDS2_P: IC35.8 J2.8 R37.1 | length 14.9
  Top w0.172: IC35.8@178.183,48.446 178.396,48.232 179.129,48.232 179.236,48.124 v2(179.325,48.124) ; J2.8@185.654,48.178 184.75,47.274 184.75,47.131 184.851,47.031 187.606,47.031 187.788,47.212 189.212,47.212 189.505,47.505 R37.1@189.505,47.525
  Bot w0.172: v2(179.325,48.124) 179.414,48.124 179.577,47.96 180.542,47.96 180.992,47.51 181.338,47.165 184.121,47.165 184.201,47.086 184.562,47.086 J2.8@185.654,48.178
LVDS3_N: IC4.1 J2.12 R12.1 R40.1 | length 17.7
  Top w0.172: IC4.1@178.193,39.136 178.668,39.136 178.881,39.35 178.881,39.377 178.968,39.464 179.069,39.566 179.468,39.566 179.571,39.463 179.571,39.447 179.775,39.243 R12.1@179.795,39.243 179.9,39.348 v2(180.525,39.348) ; J2.12@185.654,43.098 184.635,43.098 184.534,43.199 184.534,43.625 185.084,44.175 187.14,44.175 187.691,43.625 187.889,43.427 188.278,43.038 189.262,43.038 189.53,42.77 R40.1@189.53,42.75
  Bot w0.172: v2(180.525,39.348) 180.614,39.348 180.777,39.512 181.405,39.512 181.744,39.851 181.744,41.02 182.464,41.741 183.677,41.741 184.534,42.598 184.534,42.997 184.635,43.098 J2.12@185.654,43.098
LVDS3_P: IC4.2 J2.11 R12.2 R39.1 | length 17.7
  Top w0.172: IC4.2@178.193,40.406 178.668,40.406 178.881,40.192 178.881,40.162 179.078,39.966 179.558,39.966 179.775,40.183 R12.2@179.795,40.183 179.999,39.979 180.521,39.979 v2(180.525,39.975) ; J2.11@183.114,43.098 184.134,43.098 184.235,43.199 184.235,43.749 184.96,44.475 187.264,44.475 188.402,43.337 189.262,43.337 189.53,43.605 R39.1@189.53,43.625
  Bot w0.172: v2(180.525,39.975) 180.614,39.975 180.777,39.811 181.281,39.811 181.444,39.975 181.444,41.144 182.34,42.04 183.553,42.04 184.235,42.722 184.235,42.997 184.134,43.098 J2.11@183.114,43.098
LVDS4_N: IC5.4 J2.15 R16.2 R42.1 | length 17.1
  Top w0.172: IC5.4@178.183,37.39 178.658,37.39 178.871,37.176 178.871,37.149 179.158,36.861 179.446,36.861 179.547,36.962 179.547,36.978 179.751,37.182 R16.2@179.771,37.182 179.928,37.025 v2(180.45,37.025) ; J2.15@183.114,38.018 184.207,39.111 187.737,39.111 187.788,39.162 189.263,39.162 189.53,38.895 R42.1@189.53,38.875
  Bot w0.172: v2(180.45,37.025) 180.539,37.025 180.702,36.861 183.872,36.861 184.342,37.331 184.342,38.901 184.241,39.002 184.098,39.002 J2.15@183.114,38.018
LVDS4_P: IC5.3 J2.14 R16.1 R41.1 | length 17.3
  Top w0.172: IC5.3@178.183,36.12 178.658,36.12 179.099,36.562 179.446,36.562 179.547,36.461 179.547,36.446 179.751,36.242 R16.1@179.771,36.242 179.928,36.398 v2(180.45,36.398) ; J2.14@185.654,40.558 184.75,39.654 184.75,39.511 184.851,39.411 187.613,39.411 187.664,39.461 189.256,39.461 189.525,39.73 R41.1@189.525,39.75
  Bot w0.172: v2(180.45,36.398) 180.539,36.398 180.702,36.562 183.996,36.562 184.641,37.207 184.641,39.545 J2.14@185.654,40.558
LVDS5_N: IC5.1 J2.18 R14.1 R44.1 | length 16.7
  Top w0.172: IC5.1@178.183,33.58 178.658,33.58 178.871,33.794 178.871,33.822 179.115,34.066 179.262,34.066 179.274,34.077 179.446,34.077 179.547,33.976 179.547,33.961 179.751,33.757 R14.1@179.771,33.757 179.791,33.757 179.995,33.961 179.995,34.056 180.016,34.077 180.294,34.077 180.458,33.913 v2(180.525,33.913) ; J2.18@185.654,35.478 184.693,35.478 184.534,35.637 184.534,36.404 184.685,36.555 186.905,36.555 188.272,35.188 189.262,35.188 189.53,34.92 R44.1@189.53,34.9
  Bot w0.172: v2(180.525,33.913) 180.614,33.913 180.777,34.077 183.949,34.077 184.507,34.635 184.507,35.141 184.607,35.242 185.418,35.242 J2.18@185.654,35.478
LVDS5_P: IC5.2 J2.17 R14.2 R43.1 | length 16.8
  Top w0.172: IC5.2@178.183,34.85 178.658,34.85 178.871,34.636 178.871,34.609 179.103,34.377 179.446,34.377 179.547,34.478 179.547,34.493 179.751,34.697 R14.2@179.771,34.697 179.791,34.697 179.995,34.493 179.995,34.398 180.016,34.377 180.273,34.377 180.436,34.54 v2(180.525,34.54) ; J2.17@183.114,35.478 184.076,35.478 184.235,35.637 184.235,36.528 184.561,36.855 187.029,36.855 188.396,35.487 189.262,35.487 189.53,35.755 R43.1@189.53,35.775 ; R43.1@189.465,35.84 189.53,35.905 R43.1@189.53,35.925
  Bot w0.172: v2(180.525,34.54) 180.614,34.54 180.777,34.377 183.825,34.377 184.207,34.759 184.207,35.141 184.143,35.205 183.388,35.205 J2.17@183.114,35.478
LVDS6_N: IC7.7 J2.21 R46.1 | length 15.6
  Top w0.172: IC7.7@178.243,29.541 178.718,29.541 178.932,29.755 178.932,29.782 179.176,30.026 179.334,30.026 179.498,29.862 v2(179.586,29.862) ; J2.21@183.114,30.398 184.207,31.491 186.997,31.491 187.418,31.913 189.262,31.913 189.53,31.645 R46.1@189.53,31.625
  Bot w0.172: v2(179.586,29.862) 179.675,29.862 179.839,30.026 180.716,30.026 182.311,31.621 183.993,31.621 184.094,31.521 184.094,31.378 J2.21@183.114,30.398
LVDS6_P: IC7.8 J2.20 R45.1 | length 15.4
  Top w0.172: IC7.8@178.243,30.811 178.718,30.811 178.932,30.597 178.932,30.569 179.176,30.325 179.334,30.325 179.498,30.489 v2(179.586,30.489) ; J2.20@185.654,32.938 184.75,32.034 184.75,31.891 184.851,31.791 186.873,31.791 187.294,32.212 189.262,32.212 189.53,32.48 R45.1@189.53,32.5
  Bot w0.172: v2(179.586,30.489) 179.675,30.489 179.839,30.325 180.592,30.325 182.187,31.921 184.637,31.921 J2.20@185.654,32.938
LVDS7_N: IC7.5 J2.24 R48.1 | length 16.7
  Top w0.172: IC7.5@178.243,27.001 178.718,27.001 178.932,27.215 178.932,27.242 179.092,27.403 179.331,27.403 179.411,27.322 v2(179.5,27.322) ; J2.24@185.654,27.858 184.635,27.858 184.534,27.959 184.534,28.385 185.083,28.933 187.194,28.933 187.857,28.271 188.055,28.072 188.627,27.5 189.25,27.5 189.53,27.22 R48.1@189.53,27.2
  Bot w0.172: v2(179.5,27.322) 179.589,27.322 179.752,27.486 180.161,27.486 181.146,26.501 184.082,26.501 184.534,26.953 184.534,27.757 184.635,27.858 J2.24@185.654,27.858
LVDS7_P: IC7.6 J2.23 R47.1 | length 16.7
  Top w0.172: IC7.6@178.243,28.271 178.718,28.271 178.932,28.057 178.932,28.029 179.092,27.869 179.331,27.869 179.411,27.949 v2(179.5,27.949) ; J2.23@183.114,27.858 184.134,27.858 184.235,27.959 184.235,28.509 184.959,29.233 187.318,29.233 188.751,27.8 189.25,27.8 189.53,28.08 R47.1@189.53,28.1
  Bot w0.172: v2(179.5,27.949) 179.589,27.949 179.752,27.785 180.285,27.785 181.27,26.8 183.958,26.8 184.235,27.077 184.235,27.757 184.134,27.858 J2.23@183.114,27.858
NetC79_2: C79.2 IC33.6 IC33.7 R138.1 R139.1 R140.1 R141.1 R142.1 R143.1 | length 17.7
  Top w0.254: IC33.6@203.695,63.939 203.695,65.163 203.857,65.325 204.963,65.325 v2(204.965,65.323) IC33.7@204.965,63.939 ; v2@208.201,63.534 C79.2@208.836,63.534 ; C79.2@209.055,63.539 209.055,64.989 R138.1@208.955,65.089 208.955,65.964 209.26,66.269 R139.1@209.26,66.289 R140.1@209.26,67.269 R141.1@209.26,68.25 208.719,68.25 208.38,68.589 208.38,69.839 208.68,70.139 209.188,70.139 R142.1@209.26,70.211 R143.1@209.26,71.191
  Bot w0.254: v2(204.965,65.323) 206.413,65.323 v2(208.188,63.547)
NetC81_2: C81.2 IC33.2 R146.2 | length 3.5
  Top w0.152: R146.2@204.318,71.031 204.338,71.031 204.767,71.46 204.913,71.46 205.139,71.234 205.286,71.234 C81.2@205.52,71 205.179,70.659 205.094,70.659 205.094,70.545 204.965,70.416 IC33.2@204.965,69.339
NetC82_2: C82.2 IC33.5 | length 1.8
  Top w0.254: C82.2@202.425,62.165 IC33.5@202.425,63.939
NetC92_2: C92.2 R112.1 | length 1.1
  Bot w0.3: C92.2@11.08,24.275 11.085,24.27 R112.1@11.085,23.17
NetC94_2: C94.2 R115.1 | length 1.2
  Bot w0.3: R115.1@12.155,16.565 R115.1@12.175,16.565 12.175,15.586 C94.2@12.351,15.41
NetC95_1: C95.1 R129.2 ST1.1 | length 7
  Top w0.254: ST1.1@3.556,94.412 3.668,94.3 7.2,94.3 7.45,94.05 8.589,94.05 R129.2@8.614,94.075 8.614,95.739 C95.1@8.725,95.85